# KiCad board d20_tri_r0.3_4x1.kicad_pcb (continued)
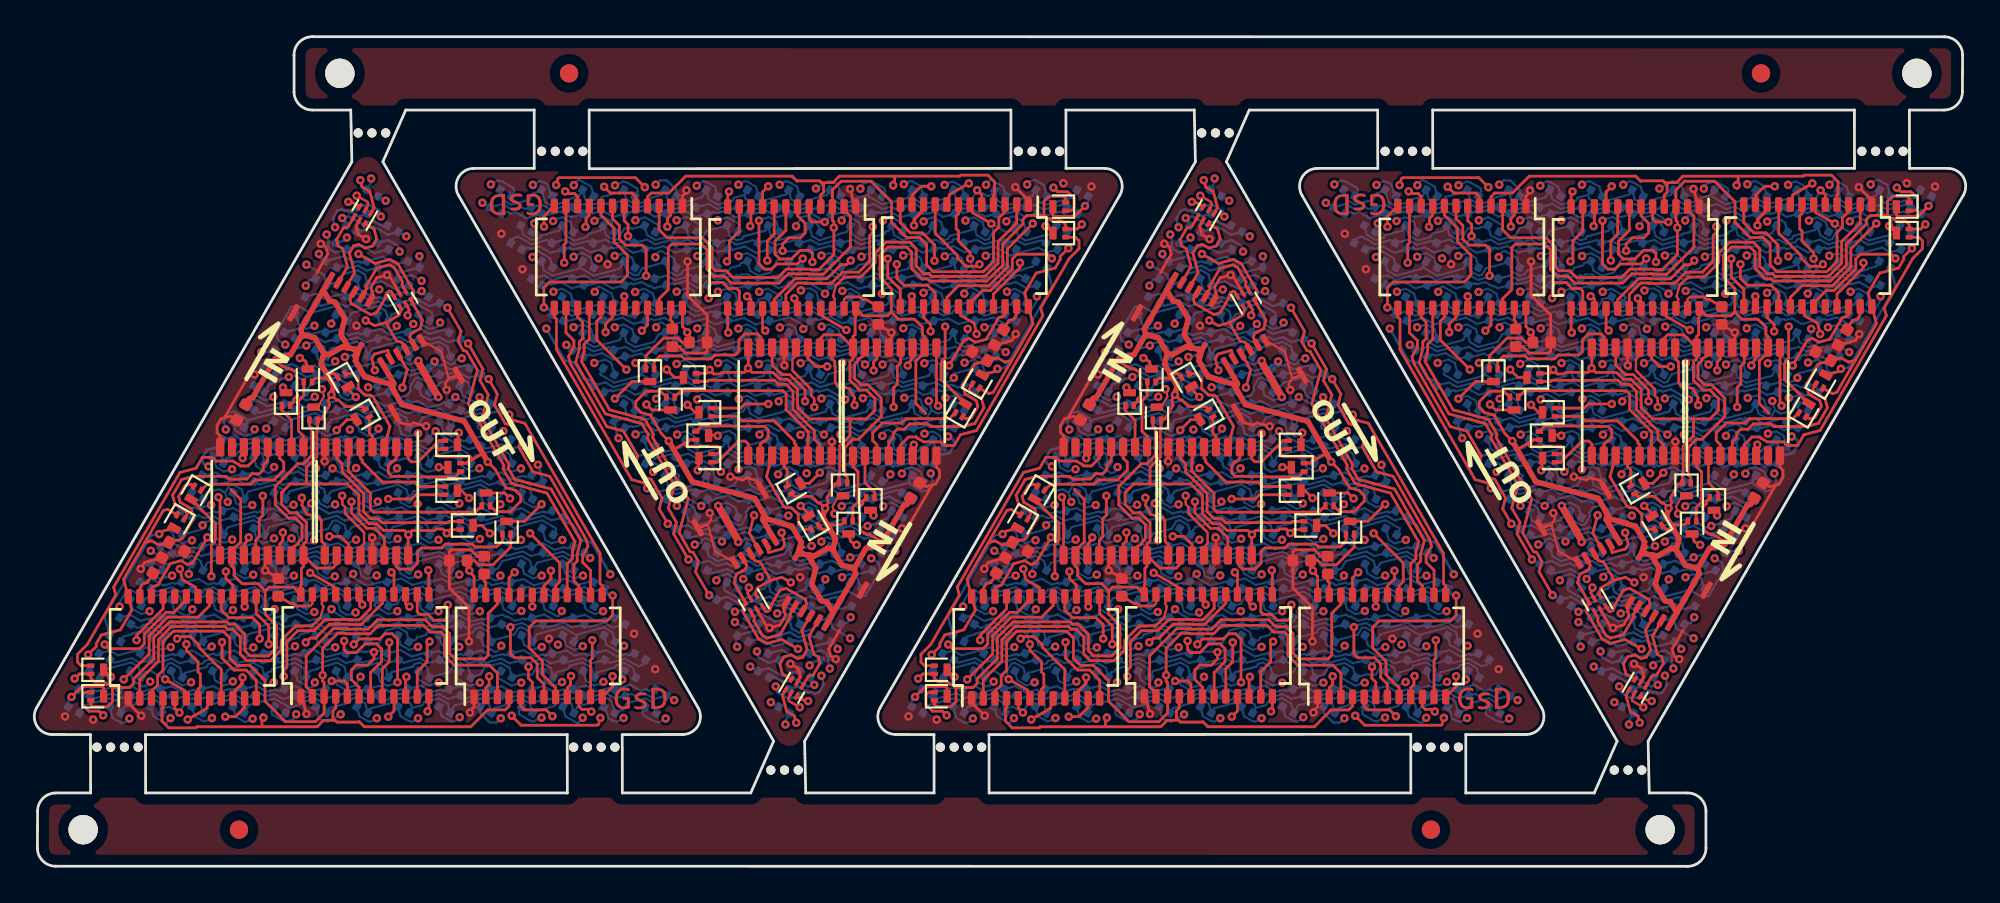
[diagram p0: board, top side]
## Routing (per net, layer and track width the routed paths; a pad name or vN(x,y) marks a point on that pad's centre or on a via; arc(x,y) is an arc through that point) (continued)
colg_8: length 115.9
  Top w0.15: 37.88,29.14 37.81,29.2 U2.13 ; U2#2.13 21.52,16.05 21.46,16.11 ; 67.46,16.11 67.52,16.05 U2#3.13 ; U2#4.13 83.81,29.2 83.88,29.14
  In2.Cu w0.15: v1(22.96,25.6) 23.13,25.32 23.54,25.21 25.46,21.88 25.3,21.27 24.8,20.99 23.22,20.56 23.21,20.54 22.66,19.99 22.66,19.51 22.98,19.18 22.98,17.83 22.03,17.28 21.77,16.31 v1(21.49,16.15) ; v1(67.49,16.15) 67.77,16.31 68.03,17.28 68.98,17.83 68.98,19.18 68.66,19.51 68.66,19.99 69.21,20.54 69.22,20.56 70.8,20.99 71.3,21.27 71.46,21.88 69.54,25.21 69.13,25.32 v1(68.96,25.6) ; v1(82.37,19.66) 82.2,19.94 81.79,20.05 79.87,23.37 80.04,23.98 80.53,24.27 82.11,24.69 82.13,24.72 82.68,25.27 82.68,25.75 82.35,26.07 82.35,27.42 83.3,27.98 83.56,28.94 v1(83.85,29.11) ; v1(37.85,29.11) 37.56,28.94 37.3,27.98 36.35,27.42 36.35,26.07 36.68,25.75 36.68,25.27 36.13,24.72 36.11,24.69 34.53,24.27 34.04,23.98 33.87,23.37 35.79,20.05 36.2,19.94 v1(36.37,19.66)
  Bottom w0.114: v1(36.37,19.66) 35.43,20.2 34.96,20.07 34.94,20.08 34.9,20.07 34.81,20.12 D9.3 ; D9#2.3 24.52,25.13 24.43,25.18 24.39,25.17 24.38,25.18 23.9,25.06 v1(22.96,25.6) ; D9#4.3 70.52,25.13 70.43,25.18 70.39,25.17 70.38,25.18 69.9,25.06 v1(68.96,25.6) ; D9#3.3 80.81,20.12 80.9,20.07 80.94,20.08 80.96,20.07 81.43,20.2 v1(82.37,19.66)
  Bottom w0.127: D105#2.3 12.12,25.42 12.69,25.09 13.51,25.31 D89#2.3 14.17,25.37 14.75,25.04 15.44,25.22 15.51,25.17 15.83,25.26 D73#2.3 16.58,25.41 17.16,25.08 18,25.3 D57#2.3 18.66,25.37 19.11,25.11 20.11,25.37 20.14,25.37 D41#2.3 20.91,25.37 21.5,25.02 22.16,25.2 22.34,25.3 D25#2.3 ; D105#4.3 58.12,25.42 58.69,25.09 59.51,25.31 D89#4.3 60.17,25.37 60.75,25.04 61.44,25.22 61.51,25.17 61.83,25.26 D73#3.3 62.58,25.41 63.16,25.08 64,25.3 D57#3.3 64.66,25.37 65.11,25.11 66.11,25.37 66.14,25.37 D41#3.3 66.91,25.37 67.5,25.02 68.16,25.2 68.34,25.3 D25#3.3 ; D105#3.3 93.21,19.83 92.64,20.17 91.82,19.95 D89#3.3 91.16,19.89 90.58,20.22 89.9,20.04 89.82,20.08 89.5,20 D73#4.3 88.75,19.84 88.17,20.18 87.33,19.95 D57#4.3 86.67,19.89 86.22,20.15 85.22,19.88 85.19,19.89 D41#4.3 84.42,19.89 83.83,20.23 83.17,20.06 82.99,19.95 D25#4.3 ; D25.3 36.99,19.95 37.17,20.06 37.83,20.23 38.42,19.89 D41.3 39.19,19.89 39.22,19.88 40.22,20.15 40.67,19.89 D57.3 41.33,19.95 42.17,20.18 42.75,19.84 D73.3 43.5,20 43.82,20.08 43.9,20.04 44.58,20.22 45.16,19.89 D89.3 45.82,19.95 46.64,20.17 47.21,19.83 D105.3
  Bottom w0.15: D25.3 36.51,19.69 v1(36.37,19.66) ; v1(22.96,25.6) 22.82,25.56 D25#2.3 ; v1(68.96,25.6) 68.82,25.56 D25#3.3 ; v1(82.37,19.66) 82.51,19.69 D25#4.3
colg_9: length 134.1
  Top w0.15: v1(22.56,14.26) 22.56,13.61 22.36,13.41 21.8,13.41 21.47,13.74 21.03,13.74 20.88,13.89 U2#2.14 ; v1(68.56,14.26) 68.56,13.61 68.36,13.41 67.8,13.41 67.47,13.74 67.03,13.74 66.88,13.89 U2#3.14 ; v1(82.78,30.99) 82.78,31.64 82.98,31.84 83.53,31.84 83.86,31.51 84.31,31.51 84.45,31.37 U2#4.14 ; U2.14 38.45,31.37 38.31,31.51 37.86,31.51 37.53,31.84 36.98,31.84 36.78,31.64 v1(36.78,30.99)
  In2.Cu w0.15: v1(36.78,30.99) 37.99,29.78 38.67,29.78 38.89,29.56 38.89,28.95 37.76,27.83 37.76,27.16 37.27,26.66 37.26,24.91 35.42,23.06 35.42,21.34 35.49,21.2 36.63,20.07 37.53,20.07 37.77,19.83 37.77,19.43 37.33,18.99 37.33,17.82 ; 22.01,27.44 22.01,26.27 21.56,25.82 21.56,25.42 21.8,25.18 22.71,25.18 23.84,24.05 23.92,23.92 23.92,22.19 22.07,20.34 22.07,18.59 21.57,18.09 21.57,17.42 20.44,16.3 20.44,15.7 20.66,15.48 21.34,15.48 v1(22.56,14.26) ; 83.33,17.82 83.33,18.99 83.77,19.43 83.77,19.83 83.53,20.07 82.63,20.07 81.49,21.2 81.42,21.34 81.42,23.06 83.26,24.91 83.27,26.66 83.76,27.16 83.76,27.83 84.89,28.95 84.89,29.56 84.67,29.78 83.99,29.78 v1(82.78,30.99) ; v1(68.56,14.26) 67.34,15.48 66.66,15.48 66.44,15.7 66.44,16.3 67.57,17.42 67.57,18.09 68.07,18.59 68.07,20.34 69.92,22.19 69.92,23.92 69.84,24.05 68.71,25.18 67.8,25.18 67.56,25.42 67.56,25.82 68.01,26.27 68.01,27.44
  Bottom w0.114: D26#2.3 21.19,27.26 21.02,27.15 20.54,27.03 19.97,27.36 D42#2.3 18.7,27.49 17.93,27.29 17.78,27.38 D58#2.3 ; D58#3.3 63.78,27.38 63.93,27.29 64.7,27.49 D42#3.3 65.97,27.36 66.54,27.03 67.02,27.15 67.19,27.26 D26#3.3 ; D26#4.3 84.14,18 84.31,18.1 84.79,18.23 85.37,17.89 D42#4.3 86.63,17.76 87.4,17.97 87.55,17.88 D58#4.3 ; D58.3 41.55,17.88 41.4,17.97 40.63,17.76 D42.3 39.37,17.89 38.79,18.23 38.31,18.1 38.14,18 D26.3
  Bottom w0.127: D10.3 35.84,17.93 36.65,18.15 37.1,17.89 D26.3 37.63,17.75 v1(37.5,17.72) ; D10#2.3 23.49,27.32 22.68,27.1 22.23,27.36 D26#2.3 21.7,27.5 v1(21.83,27.54) ; D90#2.3 13.05,27.31 13.28,27.18 14.07,27.39 14.55,27.11 15.29,27.31 15.87,26.98 16.88,27.25 ; D10#4.3 69.49,27.32 68.68,27.1 68.23,27.36 D26#3.3 67.7,27.5 v1(67.83,27.54) ; 62.88,27.25 61.87,26.98 61.29,27.31 60.55,27.11 60.07,27.39 59.28,27.18 59.05,27.31 D90#3.3 ; D10#3.3 81.84,17.93 82.65,18.15 83.1,17.89 D26#4.3 83.63,17.75 v1(83.5,17.72) ; D90#4.3 92.28,17.94 92.05,18.08 91.26,17.87 90.78,18.14 90.04,17.94 89.46,18.27 88.45,18.01 ; D90.3 46.28,17.94 46.05,18.08 45.26,17.87 44.78,18.14 44.04,17.94 43.46,18.27 42.45,18.01
colg_10: length 119.7
  Top w0.15: 38.88,31.14 39.08,30.93 U2.15 ; U2#2.15 20.25,14.32 20.46,14.11 ; U2#3.15 66.25,14.32 66.46,14.11 ; U2#4.15 85.08,30.93 84.88,31.14
  In2.Cu w0.15: v1(20.46,14.16) 19.95,16.04 20.18,16.44 21.3,17.56 21.3,18.21 21.8,18.71 21.8,20.49 23.64,22.32 23.64,23.82 22.55,24.91 21.7,24.91 21.28,25.33 21.28,26.07 21.5,26.88 21.3,27.21 21.54,28.08 21.22,29.27 v1(20.67,29.58) ; v1(66.46,14.16) 65.95,16.04 66.18,16.44 67.3,17.56 67.3,18.21 67.8,18.71 67.8,20.49 69.64,22.32 69.64,23.82 68.55,24.91 67.7,24.91 67.28,25.33 67.28,26.07 67.5,26.88 67.3,27.21 67.54,28.08 67.22,29.27 v1(66.67,29.58) ; v1(84.88,31.09) 85.38,29.21 85.15,28.82 84.03,27.7 84.03,27.05 83.53,26.55 83.53,24.77 81.7,22.93 81.7,21.43 82.78,20.34 83.63,20.34 84.05,19.92 84.05,19.19 83.83,18.38 84.03,18.04 83.8,17.17 84.11,15.99 v1(84.66,15.67) ; v1(38.66,15.67) 38.11,15.99 37.8,17.17 38.03,18.04 37.83,18.38 38.05,19.19 38.05,19.92 37.63,20.34 36.78,20.34 35.7,21.43 35.7,22.93 37.53,24.77 37.53,26.55 38.03,27.05 38.03,27.7 39.15,28.82 39.38,29.21 v1(38.88,31.09)
  Bottom w0.127: D27.3 38.25,15.95 37.8,16.21 36.97,15.99 D11.3 ; D27.3 39.08,16.06 39.9,16.28 40.47,15.94 D43.3 41.55,16.23 41.68,16.15 42.2,16.29 42.74,15.98 43.41,16.16 D59.3 43.58,16.06 44.21,16.23 44.36,16.14 44.55,16.19 44.97,15.94 D75.3 ; D27.3 38.68,15.68 v1(38.66,15.67) ; D75#2.3 14.36,29.31 14.79,29.07 14.97,29.12 15.12,29.03 15.75,29.2 D59#2.3 15.92,29.1 16.59,29.28 17.13,28.96 17.65,29.1 17.78,29.02 D43#2.3 18.86,29.31 19.43,28.98 20.25,29.19 D27#2.3 ; D27#2.3 20.65,29.58 v1(20.67,29.58) ; D27#2.3 21.08,29.3 21.53,29.04 22.37,29.27 D11#2.3 ; D75#4.3 60.36,29.31 60.79,29.07 60.97,29.12 61.12,29.03 61.75,29.2 D59#3.3 61.92,29.1 62.59,29.28 63.13,28.96 63.65,29.1 63.78,29.02 D43#3.3 64.86,29.31 65.43,28.98 66.25,29.19 D27#3.3 ; D75#3.3 90.97,15.94 90.55,16.19 90.36,16.14 90.21,16.23 89.58,16.06 D59#4.3 89.41,16.16 88.74,15.98 88.2,16.29 87.68,16.15 87.55,16.23 D43#4.3 86.47,15.94 85.9,16.28 85.08,16.06 D27#4.3 ; D27#3.3 66.65,29.58 v1(66.67,29.58) ; D27#3.3 67.08,29.3 67.53,29.04 68.37,29.27 D11#3.3 ; D27#4.3 84.68,15.68 v1(84.66,15.67) ; D27#4.3 84.25,15.95 83.8,16.21 82.97,15.99 D11#4.3
colg_11: length 111.8
  Top w0.15: 39.97,29.09 39.72,29.35 U2.16 ; U2#2.16 19.61,15.91 19.36,16.16 ; U2#3.16 65.61,15.91 65.36,16.16 ; U2#4.16 85.72,29.35 85.97,29.09
  In2.Cu w0.15: v1(19.47,16.03) 19.72,16.95 20.99,17.68 20.99,18.31 21.52,18.84 21.52,20.64 22.63,21.75 22.63,24.08 22.08,24.63 21.61,24.63 20.97,25.27 20.97,26.18 21.03,26.42 19.24,29.52 19.4,30.12 21.04,31.06 v1(21.12,31.37) ; v1(67.12,31.37) 67.04,31.06 65.4,30.12 65.24,29.52 67.03,26.42 66.97,26.18 66.97,25.27 67.61,24.63 68.08,24.63 68.63,24.08 68.63,21.75 67.52,20.64 67.52,18.84 66.99,18.31 66.99,17.68 65.72,16.95 v1(65.47,16.03) ; v1(85.86,29.22) 85.61,28.3 84.35,27.57 84.35,26.94 83.82,26.41 83.82,24.61 82.71,23.5 82.71,21.17 83.26,20.62 83.73,20.62 84.37,19.98 84.37,19.08 84.3,18.83 86.09,15.74 85.93,15.14 84.29,14.2 v1(84.21,13.88) ; v1(38.21,13.88) 38.29,14.2 39.93,15.14 40.09,15.74 38.3,18.83 38.37,19.08 38.37,19.98 37.73,20.62 37.26,20.62 36.71,21.17 36.71,23.5 37.82,24.61 37.82,26.41 38.35,26.94 38.35,27.57 39.61,28.3 v1(39.86,29.22)
  Bottom w0.127: D60#2.3 15.36,31.22 15.81,30.96 16.75,31.21 D44#2.3 17.65,31.23 18.23,30.9 18.81,31.06 18.94,30.98 D28#2.3 20.14,31.3 20.36,31.17 v1(21.12,31.37) 21.15,31.27 D12#2.3 ; D60#3.3 61.36,31.22 61.81,30.96 62.75,31.21 D44#3.3 63.65,31.23 64.23,30.9 64.81,31.06 64.94,30.98 D28#3.3 66.14,31.3 66.36,31.17 v1(67.12,31.37) 67.15,31.27 D12#4.3 ; D60#4.3 89.97,14.03 89.52,14.29 88.58,14.04 D44#4.3 87.68,14.02 87.1,14.36 86.52,14.2 86.39,14.28 D28#4.3 85.19,13.96 84.97,14.09 v1(84.21,13.88) 84.18,13.99 D12#3.3 ; D12.3 38.18,13.99 v1(38.21,13.88) 38.97,14.09 39.19,13.96 D28.3 40.39,14.28 40.52,14.2 41.1,14.36 41.68,14.02 D44.3 42.58,14.04 43.52,14.29 43.97,14.03 D60.3
colg_12: length 151.1
  Top w0.15: v1(14.81,12.21) 15.04,12.44 15.34,12.44 16.1,13.21 17.2,13.21 17.22,13.19 17.82,13.19 18.98,14.34 U2#2.17 ; v1(90.53,33.04) 90.3,32.81 90,32.81 89.23,32.04 88.13,32.04 88.11,32.07 87.51,32.07 86.35,30.91 U2#4.17 ; v1(60.81,12.21) 61.04,12.44 61.34,12.44 62.1,13.21 63.2,13.21 63.22,13.19 63.82,13.19 64.98,14.34 U2#3.17 ; U2.17 40.35,30.91 41.51,32.07 42.11,32.07 42.13,32.04 43.23,32.04 44,32.81 44.3,32.81 v1(44.53,33.04)
  In1.Cu w0.15: v1(14.81,12.21) 14.52,12.38 14.13,13.86 14.28,14.12 12.2,17.72 12.23,17.85 11.65,18.87 11.48,18.91 10.96,19.82 10.99,19.96 10.48,20.84 10.32,20.94 9.94,21.58 9.98,21.74 11.56,24.46 14.05,25.13 14.82,26.47 14.69,26.98 15.36,28.15 15.21,28.73 14.58,29.09 13.93,31.51 14.34,32.22 15.09,32.42 15.4,32.96 15.36,33.12 v1(15.52,33.4) ; v1(90.53,33.04) 90.81,32.88 91.2,31.4 91.05,31.14 93.13,27.53 93.1,27.41 93.69,26.39 93.85,26.34 94.37,25.43 94.34,25.3 94.85,24.41 95.01,24.32 95.39,23.67 95.35,23.52 93.77,20.79 91.28,20.12 90.51,18.79 90.65,18.28 89.97,17.1 90.12,16.53 90.75,16.16 91.4,13.75 90.99,13.03 90.24,12.83 89.93,12.3 89.97,12.14 v1(89.81,11.85) ; v1(60.81,12.21) 60.52,12.38 60.13,13.86 60.28,14.12 58.2,17.72 58.23,17.85 57.65,18.87 57.48,18.91 56.96,19.82 56.99,19.96 56.48,20.84 56.32,20.94 55.94,21.58 55.98,21.74 57.56,24.46 60.05,25.13 60.82,26.47 60.69,26.98 61.36,28.15 61.21,28.73 60.58,29.09 59.93,31.51 60.34,32.22 61.09,32.42 61.4,32.96 61.36,33.12 v1(61.52,33.4) ; v1(44.53,33.04) 44.81,32.88 45.2,31.4 45.05,31.14 47.13,27.53 47.1,27.41 47.69,26.39 47.85,26.34 48.37,25.43 48.34,25.3 48.85,24.41 49.01,24.32 49.39,23.67 49.35,23.52 47.77,20.79 45.28,20.12 44.51,18.79 44.65,18.28 43.97,17.1 44.12,16.53 44.75,16.16 45.4,13.75 44.99,13.03 44.24,12.83 43.93,12.3 43.97,12.14 v1(43.81,11.85)
  Bottom w0.127: D13.3 39.6,12.42 40.32,12.01 D29.3 41.5,12.33 41.63,12.25 41.88,12.32 42.46,11.98 D45.3 ; D13#2.3 19.73,32.83 19.02,33.24 D29#2.3 17.83,32.93 17.7,33 17.45,32.94 16.87,33.27 D45#2.3 ; D13#3.3 85.6,12.42 86.32,12.01 D29#3.3 87.5,12.33 87.63,12.25 87.88,12.32 88.46,11.98 D45#4.3 ; D13#4.3 65.73,32.83 65.02,33.24 D29#4.3 63.83,32.93 63.7,33 63.45,32.94 62.87,33.27 D45#3.3
  Bottom w0.15: D45.3 43.75,12.07 v1(43.81,11.85) ; v1(15.52,33.4) 15.58,33.19 D45#2.3 ; v1(89.81,11.85) 89.75,12.07 D45#4.3 ; v1(61.52,33.4) 61.58,33.19 D45#3.3
colg_13: length 273.2
  Top w0.15: U2#2.18 18.34,14.06 17.72,13.44 17.33,13.44 17.3,13.46 15.87,13.46 15.26,12.85 14.37,12.85 13.77,12.26 13.77,10.86 13.61,10.69 v1(13.61,10.36) ; U2#4.18 86.99,31.19 87.61,31.82 88,31.82 88.03,31.79 89.46,31.79 90.07,32.41 90.96,32.41 91.56,33 91.56,34.4 91.73,34.57 v1(91.73,34.89) ; U2#3.18 64.34,14.06 63.72,13.44 63.33,13.44 63.3,13.46 61.87,13.46 61.26,12.85 60.37,12.85 59.77,12.26 59.77,10.86 59.61,10.69 v1(59.61,10.36) ; U2.18 40.99,31.19 41.61,31.82 42,31.82 42.03,31.79 43.46,31.79 44.07,32.41 44.96,32.41 45.56,33 45.56,34.4 45.73,34.57 v1(45.73,34.89)
  In1.Cu w0.15: v1(13.61,10.36) 16.33,7.64 32.53,7.64 33.2,8.03 33.42,8.85 23.81,25.51 23.87,25.75 20.24,32.06 20.25,32.09 18.34,35.38 18.49,35.91 17.94,36.86 17.51,37.11 17,36.98 16.38,35.89 16.33,35.71 16.48,35.44 v1(16.8,35.36) ; v1(59.61,10.36) 62.33,7.64 78.53,7.64 79.2,8.03 79.42,8.85 69.81,25.51 69.87,25.75 66.24,32.06 66.25,32.09 64.34,35.38 64.49,35.91 63.94,36.86 63.51,37.11 63,36.98 62.38,35.89 62.33,35.71 62.48,35.44 v1(62.8,35.36) ; v1(91.73,34.89) 89,37.62 72.8,37.62 72.13,37.23 71.91,36.4 81.52,19.75 81.46,19.5 85.09,13.2 85.09,13.17 86.99,9.87 86.84,9.35 87.39,8.39 87.82,8.14 88.33,8.28 88.95,9.36 89,9.55 88.85,9.81 v1(88.54,9.9) ; v1(45.73,34.89) 43,37.62 26.8,37.62 26.13,37.23 25.91,36.4 35.52,19.75 35.46,19.5 39.09,13.2 39.09,13.17 40.99,9.87 40.84,9.35 41.39,8.39 41.82,8.14 42.33,8.28 42.95,9.36 43,9.55 42.85,9.81 v1(42.54,9.9)
  Bottom w0.127: D30.3 42.42,9.95 42.51,9.89 v1(42.54,9.9) 42.18,9.8 41.45,10.22 40.81,10.05 40.28,10.36 D14.3 ; D30#2.3 16.91,35.31 16.82,35.36 v1(16.8,35.36) 17.15,35.45 17.88,35.03 18.52,35.2 19.05,34.9 D14#2.3 ; D30#3.3 88.42,9.95 88.51,9.89 v1(88.54,9.9) 88.18,9.8 87.45,10.22 86.81,10.05 86.28,10.36 D14#3.3 ; D30#4.3 62.91,35.31 62.82,35.36 v1(62.8,35.36) 63.15,35.45 63.88,35.03 64.52,35.2 65.05,34.9 D14#4.3
colg_14: length 113.7
  Top w0.15: v1(17.89,14.27) 17.71,14.45 U2#2.19 ; v1(63.89,14.27) 63.71,14.45 U2#3.19 ; v1(87.45,30.98) 87.62,30.8 U2#4.19 ; U2.19 41.62,30.8 v1(41.45,30.98)
  In2.Cu w0.15: v1(18.37,37.52) 18.22,36.95 18.78,35.98 19.29,35.69 19.66,35.04 19.3,33.68 20.39,31.8 20.15,30.91 19.21,30.37 18.97,29.48 20.68,26.53 20.68,26.52 20.68,25.44 20.05,24.81 20.05,22.68 20.8,21.93 20.8,20.51 20.42,20.13 20.42,19.15 19.34,18.07 19.34,18.05 19.33,18.04 19.33,17.29 17.89,15.84 17.6,14.77 v1(17.89,14.27) ; v1(63.89,14.27) 63.6,14.77 63.89,15.84 65.33,17.29 65.33,18.04 65.34,18.05 65.34,18.07 66.42,19.15 66.42,20.13 66.8,20.51 66.8,21.93 66.05,22.68 66.05,24.81 66.68,25.44 66.68,26.52 66.68,26.53 64.97,29.48 65.21,30.37 66.15,30.91 66.39,31.8 65.3,33.68 65.66,35.04 65.29,35.69 64.78,35.98 64.22,36.95 v1(64.37,37.52) ; v1(86.96,7.74) 87.11,8.3 86.55,9.27 86.04,9.57 85.67,10.21 86.03,11.57 84.95,13.46 85.18,14.35 86.12,14.89 86.36,15.77 84.65,18.72 84.66,18.74 84.66,19.81 85.29,20.44 85.29,22.57 84.53,23.33 84.53,24.75 84.91,25.13 84.91,26.11 85.99,27.19 85.99,27.21 86,27.22 86,27.96 87.45,29.41 87.73,30.48 v1(87.45,30.98) ; v1(41.45,30.98) 41.73,30.48 41.45,29.41 40,27.96 40,27.22 39.99,27.21 39.99,27.19 38.91,26.11 38.91,25.13 38.53,24.75 38.53,23.33 39.29,22.57 39.29,20.44 38.66,19.81 38.66,18.74 38.65,18.72 40.36,15.77 40.12,14.89 39.18,14.35 38.95,13.46 40.03,11.57 39.67,10.21 40.04,9.57 40.55,9.27 41.11,8.3 v1(40.96,7.74)
  Bottom w0.127: v1(18.37,37.52) 18.41,37.37 D15#2.3 ; v1(64.37,37.52) 64.41,37.37 D15#3.3 ; v1(86.96,7.74) 86.92,7.88 D15#4.3 ; D15.3 40.92,7.88 v1(40.96,7.74)
colr_0: length 178
  Top w0.15: v1(31.07,37.07) 31.42,36.72 32.6,36.72 32.81,36.52 U1.5 ; U1#2.5 26.53,8.74 26.73,8.53 27.91,8.53 v1(28.26,8.19) ; U1#3.5 72.53,8.74 72.73,8.53 73.91,8.53 v1(74.26,8.19) ; U1#4.5 78.81,36.52 78.6,36.72 77.42,36.72 v1(77.07,37.07)
  In2.Cu w0.15: v1(24.44,36.19) 25.6,36.19 27,37.59 30.55,37.59 v1(31.07,37.07) ; v1(28.26,8.19) 28.78,7.66 32.33,7.66 33.73,9.07 v1(34.89,9.07) ; v1(74.26,8.19) 74.78,7.66 78.33,7.66 79.73,9.07 v1(80.89,9.07) ; v1(77.07,37.07) 76.55,37.59 73,37.59 71.6,36.19 v1(70.44,36.19)
  Bottom w0.114: v1(24.44,36.19) 24.86,35.94 D1.4 25.52,36.12 26.01,35.84 26.53,35.98 26.75,35.85 D17.4 27.67,36.09 28.18,35.8 28.8,35.96 29,35.85 D33.4 30.04,36.13 30.48,35.88 30.9,35.99 30.95,36.07 31.24,36.15 D49.4 31.76,36.22 32.01,36.29 32.73,35.88 33.57,36.1 D65.4 34.5,36.12 34.94,35.86 35.82,36.1 D81.4 36.79,36.13 37.25,35.86 37.74,35.99 37.99,35.85 D97.4 38.91,36.09 39.34,35.84 39.91,35.99 40,36.15 40.15,36.19 D113.4 41.28,36.13 41.79,35.83 42.28,35.96 42.48,35.84 D129.4 43.45,36.1 43.89,35.85 44.8,36.1 D145.4 45.77,36.12 46.26,35.85 46.74,35.98 46.98,35.84 D161.4 48.02,36.12 48.47,35.86 49.31,36.09 D177.4 50.23,36.11 50.68,35.86 51.55,36.09 D193.4 52.45,36.11 52.96,35.81 53.86,36.06 D209.4 54.59,36.08 55.04,35.82 56.05,36.09 D225.4 ; v1(34.89,9.07) 34.47,9.31 D1#2.4 33.81,9.13 33.32,9.42 32.8,9.28 32.58,9.41 D17#2.4 31.66,9.16 31.15,9.46 30.53,9.29 30.33,9.41 D33#2.4 29.29,9.13 28.85,9.38 28.43,9.27 28.38,9.19 28.09,9.11 D49#2.4 27.57,9.03 27.32,8.97 26.6,9.38 25.76,9.15 D65#2.4 24.83,9.14 24.39,9.4 23.51,9.16 D81#2.4 22.54,9.13 22.08,9.4 21.59,9.27 21.34,9.41 D97#2.4 20.42,9.16 19.99,9.41 19.42,9.26 19.33,9.1 19.18,9.06 D113#2.4 18.05,9.13 17.54,9.42 17.05,9.29 16.85,9.41 D129#2.4 15.88,9.15 15.44,9.4 14.53,9.16 D145#2.4 13.56,9.13 13.08,9.41 12.59,9.28 12.36,9.41 D161#2.4 11.31,9.13 10.86,9.39 10.02,9.17 D177#2.4 9.1,9.14 8.65,9.4 7.78,9.16 D193#2.4 6.88,9.15 6.37,9.44 5.47,9.2 D209#2.4 4.74,9.18 4.29,9.44 3.28,9.17 D225#2.4 ; v1(80.89,9.07) 80.47,9.31 D1#3.4 79.81,9.13 79.32,9.42 78.8,9.28 78.58,9.41 D17#3.4 77.66,9.16 77.15,9.46 76.53,9.29 76.33,9.41 D33#3.4 75.29,9.13 74.85,9.38 74.43,9.27 74.38,9.19 74.09,9.11 D49#4.4 73.57,9.03 73.32,8.97 72.6,9.38 71.76,9.15 D65#3.4 70.83,9.14 70.39,9.4 69.51,9.16 D81#4.4 68.54,9.13 68.08,9.4 67.59,9.27 67.34,9.41 D97#4.4 66.42,9.16 65.99,9.41 65.42,9.26 65.33,9.1 65.18,9.06 D113#3.4 64.05,9.13 63.54,9.42 63.05,9.29 62.85,9.41 D129#3.4 61.88,9.15 61.44,9.4 60.53,9.16 D145#4.4 59.56,9.13 59.08,9.41 58.59,9.28 58.36,9.41 D161#3.4 57.31,9.13 56.86,9.39 56.02,9.17 D177#4.4 55.1,9.14 54.65,9.4 53.78,9.16 D193#3.4 52.88,9.15 52.37,9.44 51.47,9.2 D209#3.4 50.74,9.18 50.29,9.44 49.28,9.17 D225#3.4 ; v1(70.44,36.19) 70.86,35.94 D1#4.4 71.52,36.12 72.01,35.84 72.53,35.98 72.75,35.85 D17#4.4 73.67,36.09 74.18,35.8 74.8,35.96 75,35.85 D33#4.4 76.04,36.13 76.48,35.88 76.9,35.99 76.95,36.07 77.24,36.15 D49#3.4 77.76,36.22 78.01,36.29 78.73,35.88 79.57,36.1 D65#4.4 80.5,36.12 80.94,35.86 81.82,36.1 D81#3.4 82.79,36.13 83.25,35.86 83.74,35.99 83.99,35.85 D97#3.4 84.91,36.09 85.34,35.84 85.91,35.99 86,36.15 86.15,36.19 D113#4.4 87.28,36.13 87.79,35.83 88.28,35.96 88.48,35.84 D129#4.4 89.45,36.1 89.89,35.85 90.8,36.1 D145#3.4 91.77,36.12 92.26,35.85 92.74,35.98 92.98,35.84 D161#4.4 94.02,36.12 94.47,35.86 95.31,36.09 D177#3.4 96.23,36.11 96.68,35.86 97.55,36.09 D193#4.4 98.45,36.11 98.96,35.81 99.86,36.06 D209#4.4 100.59,36.08 101.04,35.82 102.05,36.09 D225#4.4
colr_1: length 135.4
  Top w0.15: 32.23,34.46 v1(32.38,34.37) 32.38,35.01 32.17,35.22 U1.6 ; 27.1,10.8 v1(26.95,10.88) 26.95,10.25 27.16,10.04 U1#2.6 ; 73.1,10.8 v1(72.95,10.88) 72.95,10.25 73.16,10.04 U1#3.6 ; 78.23,34.46 v1(78.38,34.37) 78.38,35.01 78.17,35.22 U1#4.6
  Bottom w0.114: D2.4 26.15,34.28 26.4,34.34 27.11,33.93 27.95,34.16 D18.4 28.92,34.18 29.41,33.9 30.26,34.13 D34.4 31.17,34.18 31.61,33.93 32.22,34.1 v1(32.38,34.37) 32.44,34.16 D50.4 33.42,34.18 33.86,33.92 34.7,34.15 D66.4 35.63,34.17 36.07,33.92 36.94,34.16 D82.4 37.85,34.16 38.29,33.91 39.2,34.15 D98.4 39.98,34.13 40.44,33.87 41.45,34.15 D114.4 42.35,34.16 42.8,33.9 43.7,34.15 D130.4 44.63,34.17 45.08,33.91 45.94,34.14 D146.4 46.9,34.18 47.33,33.93 48.18,34.15 D162.4 49.14,34.18 49.58,33.93 50.05,34.05 50.12,34.18 50.3,34.22 D178.4 51.39,34.18 51.83,33.93 52.19,34.02 52.2,34.04 52.65,34.16 D194.4 53.57,34.16 54.02,33.9 54.93,34.14 D210.4 ; D2#2.4 33.19,10.98 32.93,10.91 32.22,11.32 31.38,11.1 D18#2.4 30.41,11.07 29.92,11.36 29.08,11.13 D34#2.4 28.16,11.07 27.73,11.32 27.11,11.16 v1(26.95,10.88) 26.89,11.09 D50#2.4 25.92,11.07 25.47,11.33 24.63,11.1 D66#2.4 23.7,11.08 23.26,11.33 22.39,11.1 D82#2.4 21.48,11.09 21.04,11.35 20.13,11.1 D98#2.4 19.35,11.12 18.9,11.38 17.88,11.11 D114#2.4 16.99,11.09 16.54,11.35 15.63,11.11 D130#2.4 14.7,11.08 14.25,11.34 13.39,11.11 D146#2.4 12.43,11.08 12,11.33 11.16,11.1 D162#2.4 10.19,11.08 9.75,11.33 9.28,11.2 9.21,11.08 9.03,11.03 D178#2.4 7.94,11.08 7.5,11.33 7.14,11.23 7.13,11.22 6.68,11.09 D194#2.4 5.76,11.1 5.31,11.35 4.4,11.11 D210#2.4 ; D2#3.4 79.19,10.98 78.93,10.91 78.22,11.32 77.38,11.1 D18#3.4 76.41,11.07 75.92,11.36 75.08,11.13 D34#4.4 74.16,11.07 73.73,11.32 73.11,11.16 v1(72.95,10.88) 72.89,11.09 D50#4.4 71.92,11.07 71.47,11.33 70.63,11.1 D66#4.4 69.7,11.08 69.26,11.33 68.39,11.1 D82#4.4 67.48,11.09 67.04,11.35 66.13,11.1 D98#4.4 65.35,11.12 64.9,11.38 63.88,11.11 D114#4.4 62.99,11.09 62.54,11.35 61.63,11.11 D130#3.4 60.7,11.08 60.25,11.34 59.39,11.11 D146#4.4 58.43,11.08 58,11.33 57.16,11.1 D162#3.4 56.19,11.08 55.75,11.33 55.28,11.2 55.21,11.08 55.03,11.03 D178#4.4 53.94,11.08 53.5,11.33 53.14,11.23 53.13,11.22 52.68,11.09 D194#3.4 51.76,11.1 51.31,11.35 50.4,11.11 D210#3.4 ; D2#4.4 72.15,34.28 72.4,34.34 73.11,33.93 73.95,34.16 D18#4.4 74.92,34.18 75.41,33.9 76.26,34.13 D34#3.4 77.17,34.18 77.61,33.93 78.22,34.1 v1(78.38,34.37) 78.44,34.16 D50#3.4 79.42,34.18 79.86,33.92 80.7,34.15 D66#3.4 81.63,34.17 82.07,33.92 82.94,34.16 D82#3.4 83.85,34.16 84.29,33.91 85.2,34.15 D98#3.4 85.98,34.13 86.44,33.87 87.45,34.15 D114#3.4 88.35,34.16 88.8,33.9 89.7,34.15 D130#4.4 90.63,34.17 91.08,33.91 91.94,34.14 D146#3.4 92.9,34.18 93.33,33.93 94.18,34.15 D162#4.4 95.14,34.18 95.58,33.93 96.05,34.05 96.12,34.18 96.3,34.22 D178#3.4 97.39,34.18 97.83,33.93 98.19,34.02 98.2,34.04 98.65,34.16 D194#4.4 99.57,34.16 100.02,33.9 100.93,34.14 D210#4.4
colr_2: length 138.2
  Top w0.15: U1#2.7 27.8,9.93 27.43,10.3 27.43,11.04 27.1,11.37 26.19,11.37 25.97,11.59 v1(25.97,13.05) ; v1(71.97,13.05) 71.97,11.59 72.19,11.37 73.1,11.37 73.43,11.04 73.43,10.3 73.8,9.93 U1#3.7 ; U1#4.7 77.54,35.32 77.9,34.95 77.91,34.21 78.24,33.88 79.15,33.88 79.37,33.66 v1(79.37,32.21) ; U1.7 31.54,35.32 31.9,34.95 31.91,34.21 32.24,33.88 33.15,33.88 33.37,33.66 v1(33.37,32.21)
  Bottom w0.114: D3.4 27.79,32.23 28.24,31.97 29.09,32.2 D19.4 30,32.23 30.44,31.97 31.32,32.21 D35.4 32.29,32.23 32.72,31.98 33.33,32.15 v1(33.37,32.21) 33.51,32.25 D51.4 34.5,32.23 34.94,31.97 35.48,32.12 35.53,32.21 35.73,32.26 D67.4 36.79,32.24 37.22,31.98 38.06,32.21 D83.4 38.58,32.28 38.94,32.28 39,32.23 39.43,31.98 39.44,31.97 39.45,31.97 40.33,32.2 41.28,32.2 41.47,32.01 41.83,32.01 42.56,32.21 D115.4 43.52,32.23 43.96,31.98 44.81,32.21 D131.4 45.67,32.21 46.13,31.94 47.08,32.19 D147.4 48,32.23 48.45,31.97 49.31,32.2 D163.4 50.24,32.22 50.7,31.96 51.22,32.1 51.47,31.95 52.5,32.23 52.93,31.98 53.43,32.11 53.47,32.18 53.72,32.25 D195.4 ; D3#2.4 31.54,13.02 31.09,13.28 30.24,13.05 D19#2.4 29.33,13.03 28.89,13.28 28.01,13.04 D35#2.4 27.04,13.02 26.61,13.27 26,13.11 v1(25.97,13.05) 25.82,13.01 D51#2.4 24.83,13.03 24.39,13.28 23.85,13.14 23.8,13.05 23.6,12.99 D67#2.4 22.54,13.02 22.11,13.27 21.27,13.05 D83#2.4 20.76,12.97 20.39,12.97 20.33,13.03 19.9,13.28 19.89,13.29 19.88,13.29 19,13.05 18.05,13.05 17.87,13.24 17.5,13.24 16.77,13.05 D115#2.4 15.81,13.02 15.37,13.27 14.53,13.05 D131#2.4 13.66,13.05 13.2,13.32 12.25,13.06 D147#2.4 11.33,13.03 10.88,13.29 10.02,13.06 D163#2.4 9.09,13.03 8.63,13.3 8.11,13.16 7.86,13.3 6.83,13.03 6.4,13.28 5.9,13.15 5.86,13.07 5.61,13.01 D195#2.4 ; D3#4.4 73.79,32.23 74.24,31.97 75.09,32.2 D19#3.4 76,32.23 76.44,31.97 77.32,32.21 D35#4.4 78.29,32.23 78.72,31.98 79.33,32.15 v1(79.37,32.21) 79.51,32.25 D51#3.4 80.5,32.23 80.94,31.97 81.48,32.12 81.53,32.21 81.73,32.26 D67#4.4 82.79,32.24 83.22,31.98 84.06,32.21 D83#3.4 84.58,32.28 84.94,32.28 85,32.23 85.43,31.98 85.44,31.97 85.45,31.97 86.33,32.2 87.28,32.2 87.47,32.01 87.83,32.01 88.56,32.21 D115#3.4 89.52,32.23 89.96,31.98 90.81,32.21 D131#4.4 91.67,32.21 92.13,31.94 93.08,32.19 D147#3.4 94,32.23 94.45,31.97 95.31,32.2 D163#3.4 96.24,32.22 96.7,31.96 97.22,32.1 97.47,31.95 98.5,32.23 98.93,31.98 99.43,32.11 99.47,32.18 99.72,32.25 D195#4.4 ; D195#3.4 51.61,13.01 51.86,13.07 51.9,13.15 52.4,13.28 52.83,13.03 53.86,13.3 54.11,13.16 54.63,13.3 55.09,13.03 D163#4.4 56.02,13.06 56.88,13.29 57.33,13.03 D147#4.4 58.25,13.06 59.2,13.32 59.66,13.05 D131#3.4 60.53,13.05 61.37,13.27 61.81,13.02 D115#4.4 62.77,13.05 63.5,13.24 63.87,13.24 64.05,13.05 65,13.05 65.88,13.29 65.89,13.29 65.9,13.28 66.33,13.03 66.39,12.97 66.76,12.97 D83#4.4 67.27,13.05 68.11,13.27 68.54,13.02 D67#3.4 69.6,12.99 69.8,13.05 69.85,13.14 70.39,13.28 70.83,13.03 D51#4.4 71.82,13.01 v1(71.97,13.05) 72,13.11 72.61,13.27 73.04,13.02 D35#3.4 74.01,13.04 74.89,13.28 75.33,13.03 D19#4.4 76.24,13.05 77.09,13.28 77.54,13.02 D3#3.4